# Allegro board Learn.brd
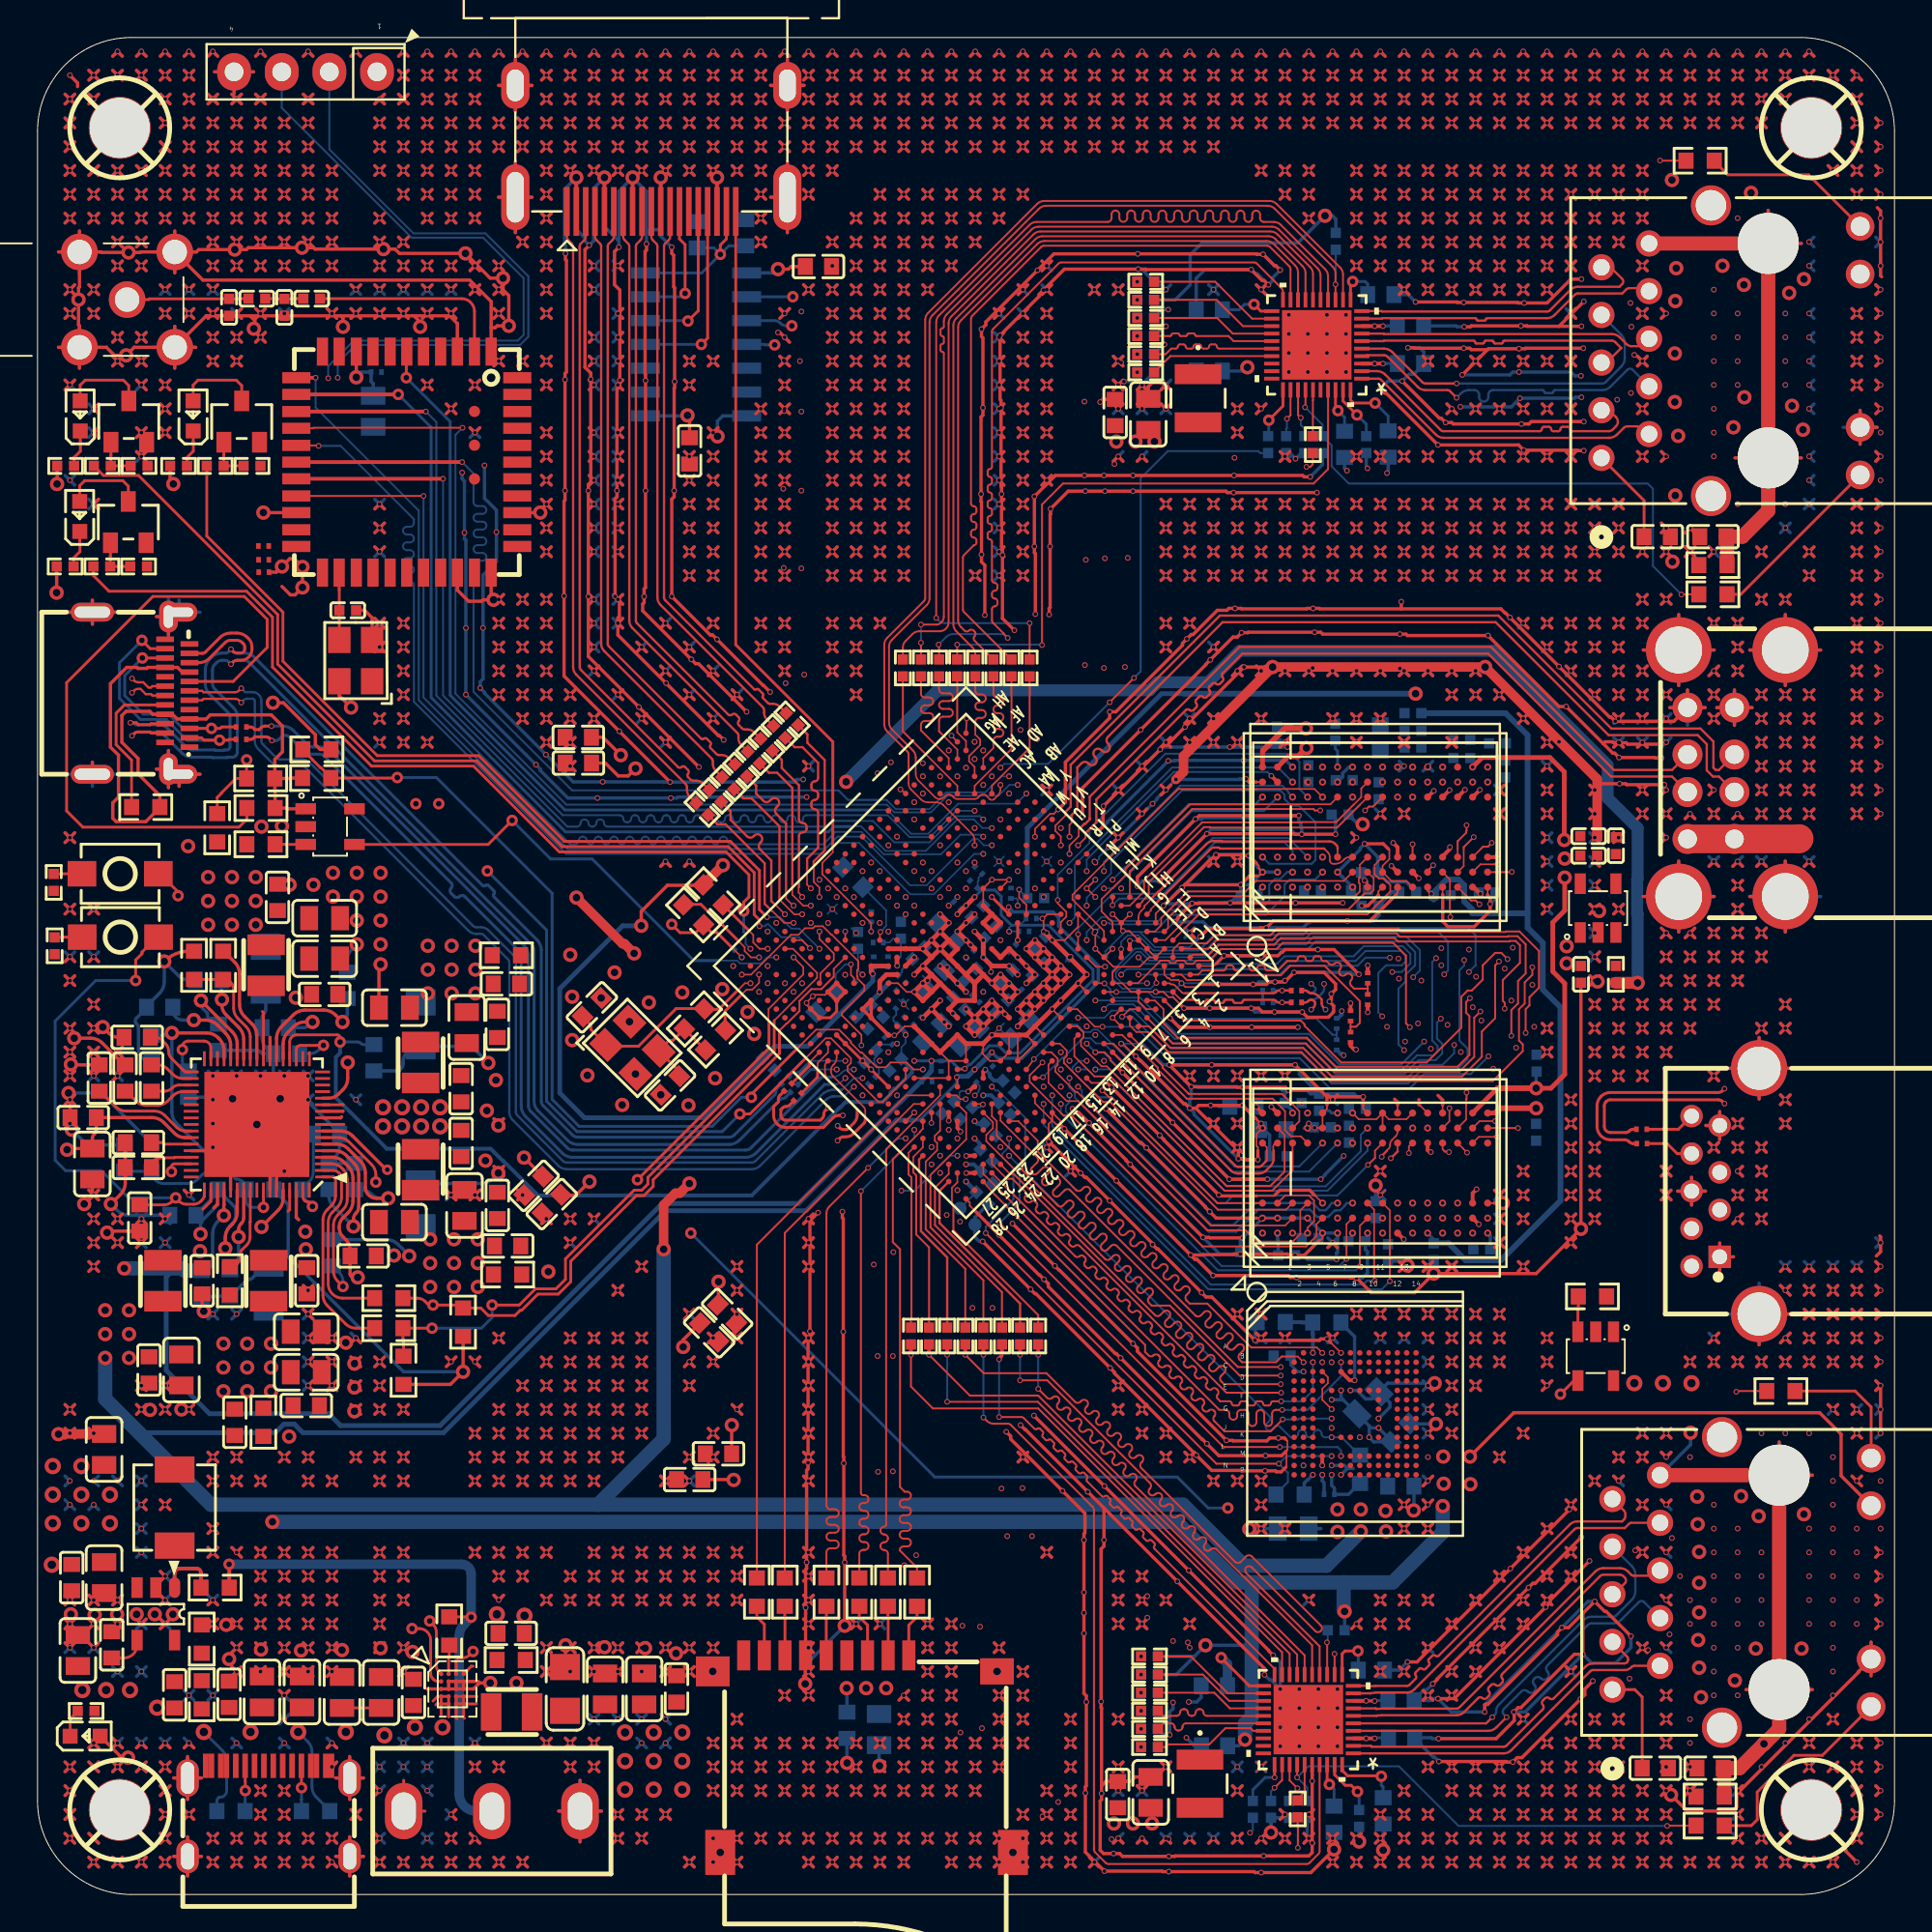
[diagram p0: board, top side]
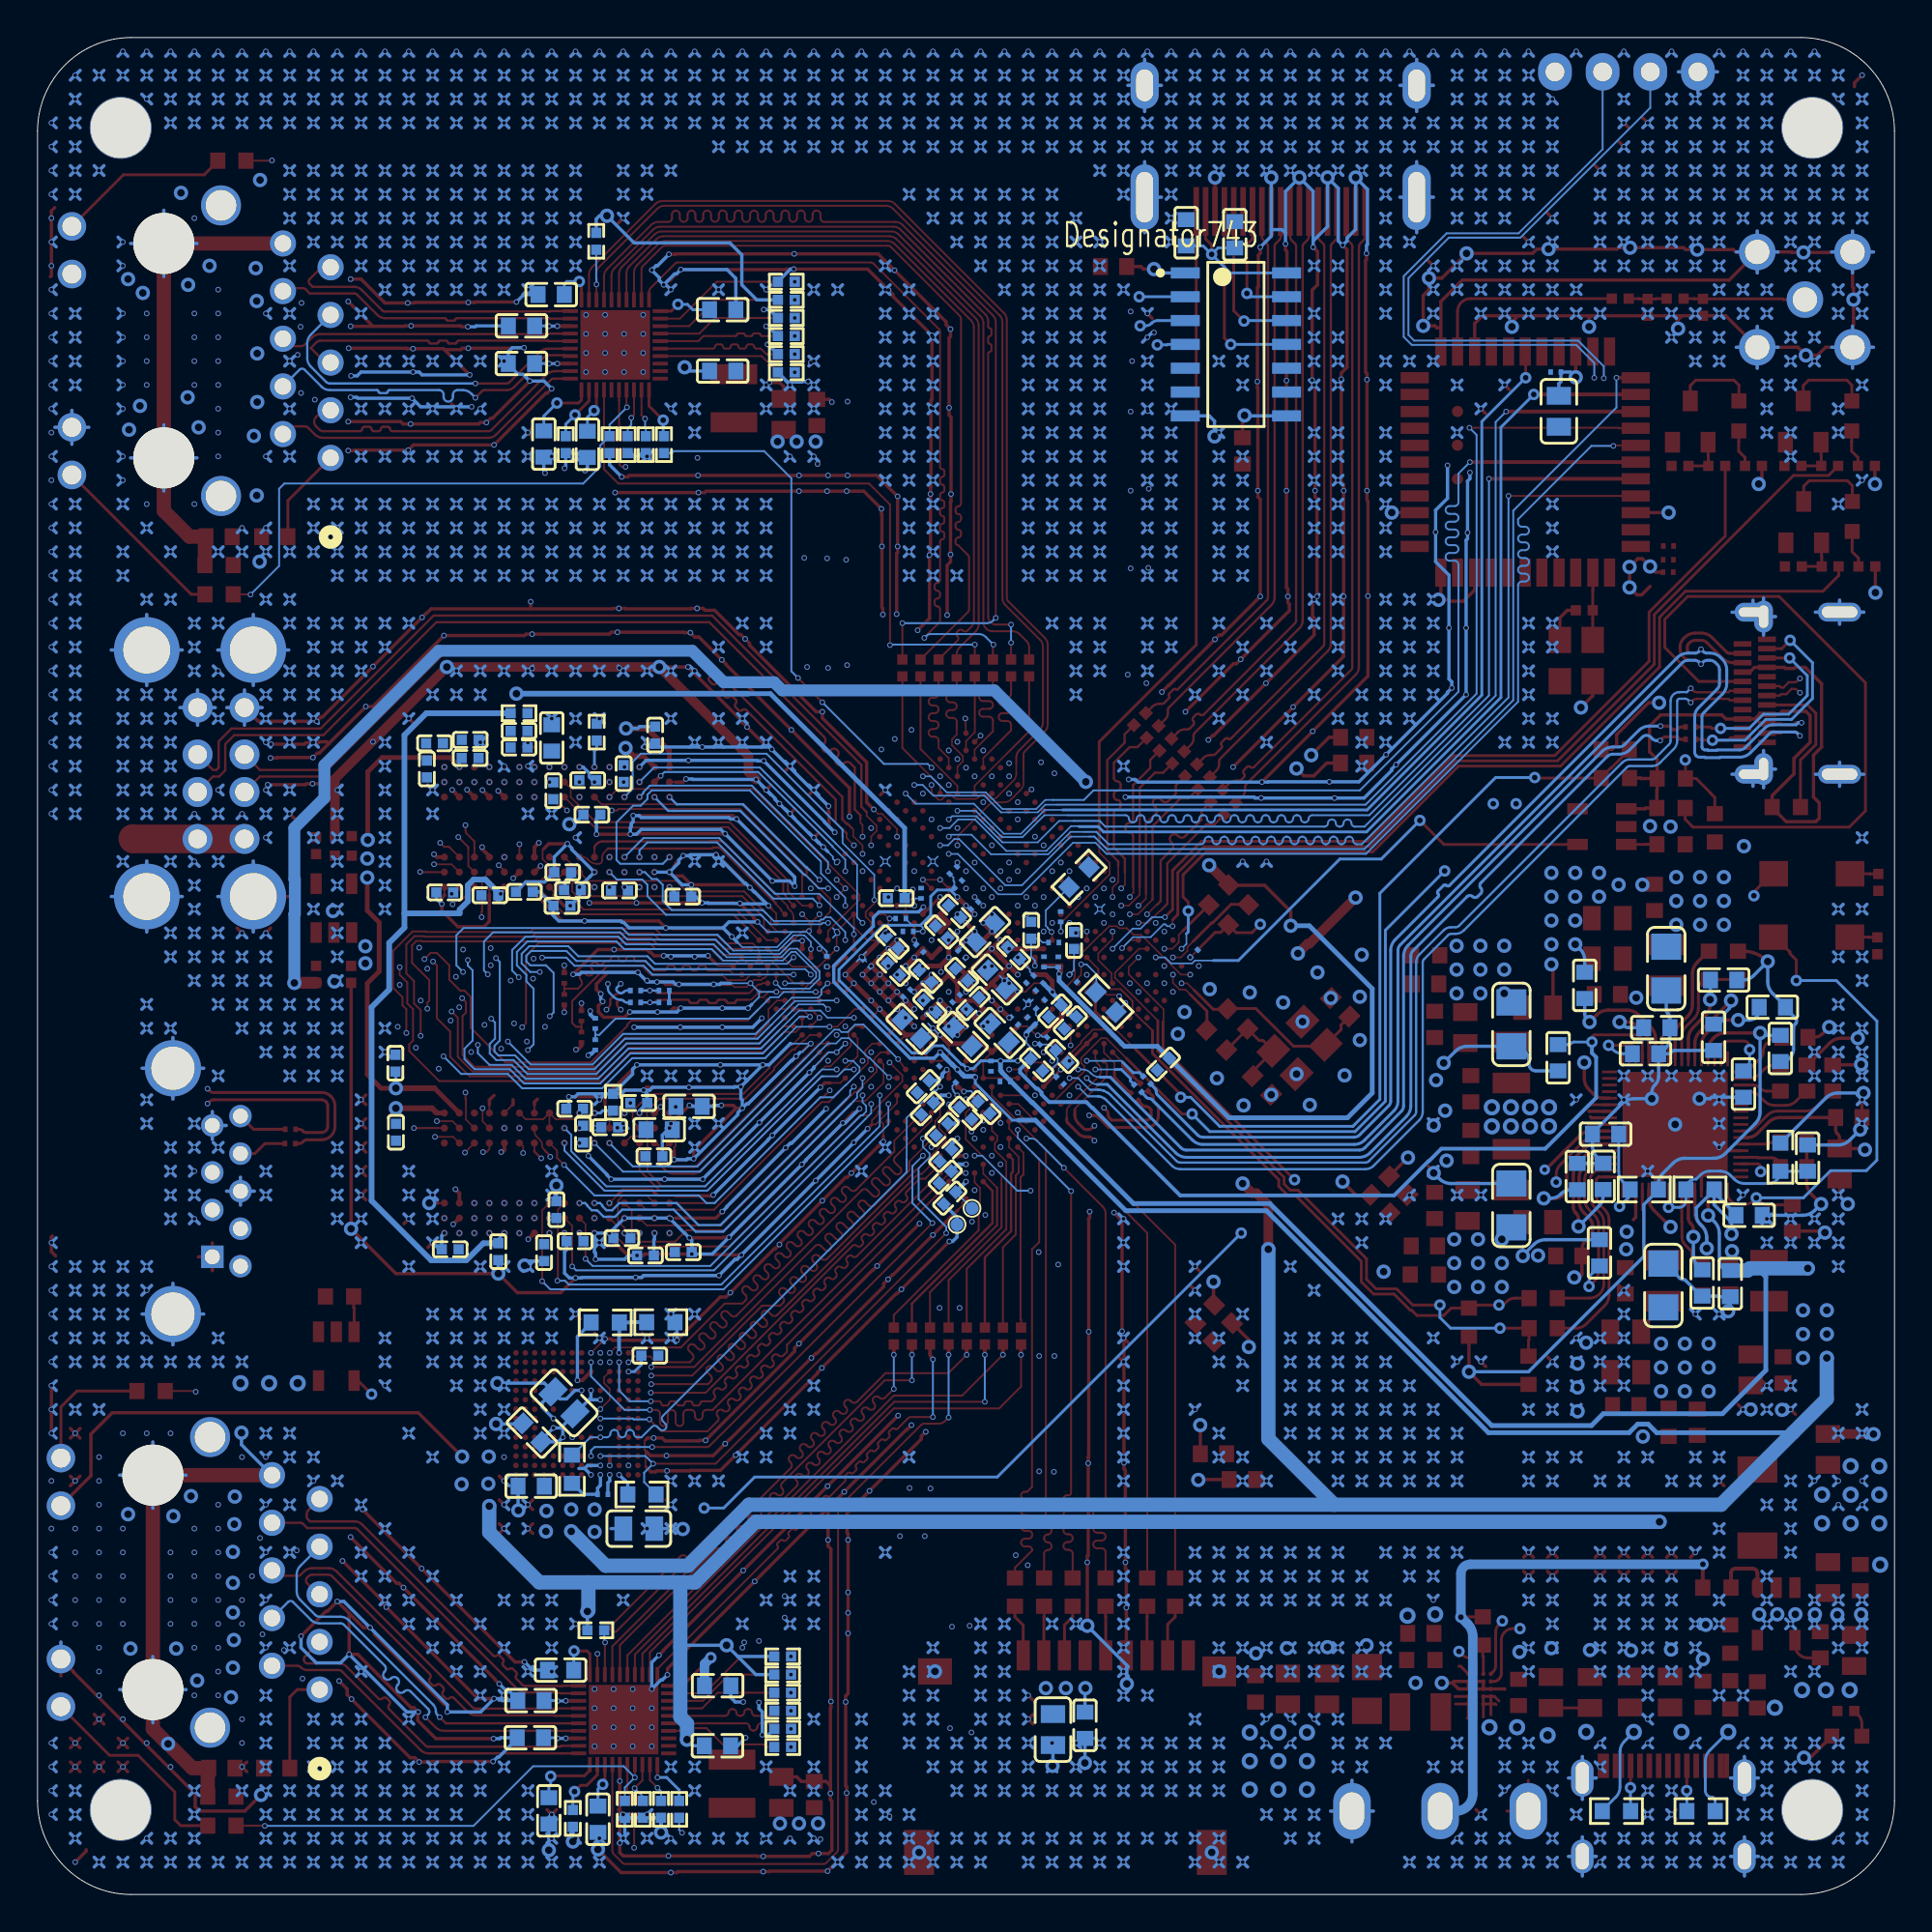
[diagram p1: board, bottom side, seen from below]

Outline 98.98 x 98.98 mm; copper layers: TOP, GND1, PWR, SIG, GND2, BOTTOM. Coordinates in mm from the lower left corner of the outline.
Outline path: 0,93.98 arc(1.46,97.52) 5,98.98 93.98,98.98 arc(97.52,97.52) 98.98,93.98 98.98,5 arc(97.52,1.46) 93.98,0 5,0 arc(1.46,1.46) 0,5 0,93.98

## Design rules (mm)
constraint set DEFAULT: min track width 0.152
net group DDR4_CLK: nets DDR4_CLKN DDR4_CLKP
net group ETH0_MDI0: nets ETH0_MDI0+ ETH0_MDI0-
net group ETH0_MDI1: nets ETH0_MDI1+ ETH0_MDI1-
net group ETH0_MDI2: nets ETH0_MDI2+ ETH0_MDI2-
net group ETH0_MDI3: nets ETH0_MDI3+ ETH0_MDI3-
net group ETH1_MDI0: nets ETH1_MDI0+ ETH1_MDI0-
net group ETH1_MDI1: nets ETH1_MDI1+ ETH1_MDI1-
net group ETH1_MDI2: nets ETH1_MDI2+ ETH1_MDI2-
net group ETH1_MDI3: nets ETH1_MDI3+ ETH1_MDI3-
net group GMAC0_CTRL: nets GMAC0_INT/PMEB GMAC0_RSTN
net group GMAC1_CTRL: nets GMAC1_INT/PMEB GMAC1_RSTN
net group HDMI_SOC_TX0: nets HDMI_SOC_TX0N HDMI_SOC_TX0P
net group HDMI_SOC_TX1: nets HDMI_SOC_TX1N HDMI_SOC_TX1P
net group HDMI_SOC_TX2: nets HDMI_SOC_TX2N HDMI_SOC_TX2P
net group HDMI_SOC_TXCLK: nets HDMI_SOC_TXCLKN HDMI_SOC_TXCLKP
net group HDMI_TX0: nets HDMI_TX0N HDMI_TX0P
net group HDMI_TX1: nets HDMI_TX1N HDMI_TX1P
net group HDMI_TX2: nets HDMI_TX2N HDMI_TX2P
net group HDMI_TXCLK: nets HDMI_TXCLKN HDMI_TXCLKP
net group UART2_DEBUG: nets UART2_RX_DEBUG UART2_TX_DEBUG
net group USB2_HOST2_D: nets USB2_HOST2_DM USB2_HOST2_DP
net group USB2_HOST3_D: nets USB2_HOST3_DM USB2_HOST3_DP
net group USB3_HOST1_D: nets USB3_HOST1_DM USB3_HOST1_DP
net group USB3_HOST1_SSRX: nets USB3_HOST1_SSRXN USB3_HOST1_SSRXP
net group USB3_HOST1_SSTX: nets USB3_HOST1_SSTXN USB3_HOST1_SSTXP
net group USB3_OTG0_D: nets USB3_OTG0_DM USB3_OTG0_DP
net group USB3_OTG0_SSRX: nets USB3_OTG0_SSRXN USB3_OTG0_SSRXP
net group USB3_OTG0_SSTX: nets USB3_OTG0_SSTXN USB3_OTG0_SSTXP
net group DDE_CTRL: nets DDR4_ACTN DDR4_CKE DDR4_CKE_A DDR4_CKE_B DDR4_CLKN_A DDR4_CLKN_B DDR4_CLKP_A DDR4_CLKP_B DDR4_CS0N DDR4_CS0N_A DDR4_CS0N_B DDR4_ODT0 DDR4_ODT0_A DDR4_ODT0_B
net group DDR_ADD: nets DDR4_A0 DDR4_A1 DDR4_A2 DDR4_A3 DDR4_A4 DDR4_A5 DDR4_A6 DDR4_A7 DDR4_A8 DDR4_A9 DDR4_A10 DDR4_A11 DDR4_A12 DDR4_A13 DDR4_A14_WEN DDR4_A15_CASN DDR4_A16_RASN DDR4_BA0 DDR4_BA1 DDR4_BG0
net group DDR_DQ: nets DDR4_DML_A DDR4_DML_B DDR4_DMU_A DDR4_DMU_B DDR4_DQL0_A DDR4_DQL0_B DDR4_DQL1_A DDR4_DQL1_B DDR4_DQL2_A DDR4_DQL2_B DDR4_DQL3_A DDR4_DQL3_B DDR4_DQL4_A DDR4_DQL4_B DDR4_DQL5_A DDR4_DQL5_B DDR4_DQL6_A DDR4_DQL6_B DDR4_DQL7_A DDR4_DQL7_B DDR4_DQSL_N_A DDR4_DQSL_N_B DDR4_DQSL_P_A DDR4_DQSL_P_B DDR4_DQSU_N_A DDR4_DQSU_N_B DDR4_DQSU_P_A DDR4_DQSU_P_B DDR4_DQU0_A DDR4_DQU0_B DDR4_DQU1_A DDR4_DQU1_B DDR4_DQU2_A DDR4_DQU2_B DDR4_DQU3_A DDR4_DQU3_B DDR4_DQU4_A DDR4_DQU4_B DDR4_DQU5_A DDR4_DQU5_B DDR4_DQU6_A DDR4_DQU6_B DDR4_DQU7_A DDR4_DQU7_B
net group EMMC: nets EMMC_CLK EMMC_CMD EMMC_D0 EMMC_D1 EMMC_D2 EMMC_D3 EMMC_D4 EMMC_D5 EMMC_D6 EMMC_D7 EMMC_DS EMMC_RES
net group GMAC0_MD: nets GMAC0_MDC
net group GMAC0_SOC_RXD: nets GMAC0_SOC_RXCLK GMAC0_SOC_RXD0 GMAC0_SOC_RXD1 GMAC0_SOC_RXD2 GMAC0_SOC_RXD3 GMAC0_SOC_RXDV
net group GMAC0_SOC_TXD: nets GMAC0_SOC_TXCLK GMAC0_SOC_TXD0 GMAC0_SOC_TXD1 GMAC0_SOC_TXD2 GMAC0_SOC_TXD3 GMAC0_SOC_TXEN
net group GMAC0_TXD: nets GMAC0_TXCEN GMAC0_TXCLK GMAC0_TXD0 GMAC0_TXD1 GMAC0_TXD2 GMAC0_TXD3
net group GMAC1_MD: nets GMAC1_MDC
net group GMAC1_SOC_RXD: nets GMAC1_SOC_RXCLK GMAC1_SOC_RXD0 GMAC1_SOC_RXD1 GMAC1_SOC_RXD2 GMAC1_SOC_RXD3 GMAC1_SOC_RXDV
net group GMAC1_SOC_TXD: nets GMAC1_SOC_TXCLK GMAC1_SOC_TXD0 GMAC1_SOC_TXD1 GMAC1_SOC_TXD2 GMAC1_SOC_TXD3 GMAC1_SOC_TXEN
net group GMAC1_TXD: nets GMAC1_TXCEN GMAC1_TXCLK GMAC1_TXD0 GMAC1_TXD1 GMAC1_TXD2 GMAC1_TXD3
net group SDMMC: nets SDMMC_CLK SDMMC_CMD SDMMC_D0 SDMMC_D1 SDMMC_D2 SDMMC_D3
net group WIFI_SDIO: nets WIFI_REG_ON WIFI_SDIO_CLK WIFI_SDIO_CMD WIFI_SDIO_D0 WIFI_SDIO_D1 WIFI_SDIO_D2 WIFI_SDIO_D3
net group WORKING_LED: nets WORKING_CPU WORKING_GPU WORKING_NPU

## Placement (name value [footprint] x y rotation side)
C1  22UF  [C0805]  11.96 10.79 270 top
C2  22UF  [C0805]  14.1 10.79 270 top
C3  0.1UF  [C0603]  10.21 10.67 270 top
C4  22UF  [C0805]  2.15 13 90 top
C5  0.1UF  [C0603]  3.95 13.31 90 top
C6  22UF  [C0805]  3.55 16.89 90 top
C7  22UF  [C0805]  3.55 23.72 270 top
C8  0.1UF  [C0603]  1.82 16.89 90 top
C9  22PF  [C0603]  7.31 10.64 90 top
C10  22UF  [C0805]  16.23 10.77 90 top
C11  22UF  [C0805]  18.31 10.77 90 top
C12  0.1UF  [C0603]  20.04 10.77 90 top
C13  100UF  [C1206]  28.12 10.96 90 top
C14  22UF  [C0805]  32.33 10.96 90 top
C15  22UF  [C0805]  30.25 10.96 90 top
C16  0.1UF  [C0603]  34.06 10.96 90 top
C17  0.1UF  [C0603]  25.25 13.92 180 top
C18  0.1UF  [C0603]  16.51 48.46 90 bottom
C19  0.1UF  [C0603]  22.58 42.95 270 top
C20  0.1UF  [C0603]  13.27 44.82 180 bottom
C21  0.1UF  [C0603]  24.51 46.38 270 top
C22  0.1UF  [C0603]  12.67 46.21 180 bottom
C23  0.1UF  [C0603]  14.35 32.72 90 top
C24  0.1UF  [C0603]  17.93 44.6 270 bottom
C25  0.1UF  [C0603]  9.11 48.75 180 bottom
C26  0.1UF  [C0603]  6.51 47.3 180 bottom
C27  22UF  [C0805]  19.02 47.27 180 top
C28  22UF  [C0805]  22.88 46.21 270 top
C29  100UF  [C1206]  20.42 46.38 270 bottom
C30  0.1UF  [C0603]  24.99 48.54 180 top
C31  0.1UF  [C0603]  10.52 25.17 270 top
C32  100UF  [C1206]  12.32 32.46 90 bottom
C33  22UF  [C0805]  14.33 27.84 0 top
C34  22UF  [C0805]  14.32 30 0 top
C35  0.1UF  [C0603]  14.33 26.06 0 top
C36  0.1UF  [C0603]  9.64 45.69 270 bottom
C37  0.1UF  [C0603]  6.09 45.1 270 bottom
C38  0.1UF  [C0603]  15.73 34.2 90 bottom
C39  0.1UF  [C0603]  22.58 40.03 90 top
C40  0.1UF  [C0603]  17.36 34.04 0 top
C41  0.1UF  [C0603]  15.31 47.98 180 top
C42  0.1UF  [C0603]  15.53 38.28 90 bottom
C43  0.1UF  [C0603]  24.51 36.73 90 top
C44  0.1UF  [C0603]  16.91 38.27 90 bottom
C45  22UF  [C0805]  19.02 35.84 180 top
C46  22UF  [C0805]  22.76 36.73 90 top
C47  100UF  [C1206]  20.42 36.73 90 bottom
C48  0.1UF  [C0603]  25.06 34.57 0 top
C49  100UF  [C1206]  12.17 49.35 270 bottom
C50  22UF  [C0805]  15.31 49.88 0 top
C51  22UF  [C0805]  15.31 52.04 0 top
C52  0.1UF  [C0603]  12.79 53.15 90 top
C53  0.1UF  [C0603]  10.25 32.6 270 bottom
C54  0.1UF  [C0603]  7.75 36.21 180 bottom
C55  0.1UF  [C0603]  8.75 32.56 270 bottom
C56  22UF  [C0805]  7.67 27.96 270 top
C57  0.1UF  [C0603]  5.94 27.96 270 top
C58  0.1UF  [C0603]  8.77 32.72 270 top
C59  0.1UF  [C0603]  5.38 40.08 180 top
C60  22UF  [C0805]  2.92 38.94 90 top
C61  0.1UF  [C0603]  2.44 41.41 0 top
C62  10UF  [C0603]  8.05 43.2 270 bottom
C63  2.2UF  [C0603]  6.08 43.52 270 top
C64  1UF  [C0603]  4.67 43.52 90 top
C65  2.2UF  [C0603]  5.31 45.69 180 top
C66  1UF  [C0603]  5.38 38.75 180 top
C67  1UF  [C0603]  3.29 43.52 90 top
C68  0.1UF  [C0603]  4.63 39.25 90 bottom
C69  0.1UF  [C0603]  15.4 40.53 0 bottom
C70  0.1UF  [C0603]  5.45 36.06 270 top
C71  100nF  [C0402]  49.12 47.5 135 bottom
C72  4.7UF  [C0402]  51.42 47.36 45 bottom
C73  22UF  [C0603]  49.68 45.71 225 bottom
C74  22UF  [C0603]  36.3 23.49 180 top
C75  22UF  [C0603]  34.76 22.12 180 top
C76  100nF  [C0201]  50.01 47.76 315 bottom
C77  4.7UF  [C0402]  49.72 49.04 45 bottom
C78  1UF  [C0402]  51.66 48.96 225 bottom
C79  1UF  [C0402]  50.79 51.3 45 bottom
C80  22UF  [C0603]  47.84 48.77 225 bottom
C81  22UF  [C0603]  28.83 60.31 180 top
C82  22UF  [C0603]  28.83 61.68 180 top
C83  100nF  [C0201]  49.71 50.12 225 bottom
C84  4.7UF  [C0402]  50.1 52.4 45 bottom
C85  22UF  [C0603]  26.45 37.78 225 top
C86  22UF  [C0603]  27.41 36.8 225 top
C87  22UF  [C0603]  48.48 51.3 135 bottom
C88  100nF  [C0201]  46.91 46.56 225 bottom
C89  22UF  [C0603]  47.7 45.92 225 bottom
C90  22UF  [C0603]  35.8 29.96 315 top
C91  22UF  [C0603]  36.76 30.95 315 top
C92  100nF  [C0201]  52.65 48.04 135 bottom
C93  100nF  [C0201]  54.78 49.65 45 bottom
C94  4.7UF  [C0402]  53.43 50.77 45 bottom
C95  4.7UF  [C0402]  53.36 49.32 225 bottom
C96  10UF  [C0603]  52.39 46.14 225 bottom
C97  1nF  [C0402]  73.32 62.02 180 bottom
C98  1nF  [C0402]  53.21 53.11 0 bottom
C99  1nF  [C0402]  74.87 53.26 0 bottom
C100  1nF  [C0402]  74.42 34.26 270 bottom
C101  10uF  [C0603]  71.57 61.65 90 bottom
C102  10uF  [C0603]  64.25 42.01 180 bottom
C103  10uF  [C0603]  65.85 40.76 180 bottom
C104  1uF  [C0402]  64.59 53.19 180 bottom
C105  100nF  [C0402]  71.49 58.83 270 bottom
C106  100nF  [C0402]  69.9 40.53 90 bottom
C107  100nF  [C0402]  67.83 34.99 0 bottom
C108  100nF  [C0402]  66.13 39.35 180 bottom
C109  100nF  [C0402]  79.88 40.63 270 bottom
C110  100nF  [C0402]  71.32 36.51 90 bottom
C111  100nF  [C0402]  69.65 59.4 0 bottom
C112  100nF  [C0402]  71.98 34.21 270 bottom
C113  100nF  [C0402]  70.33 34.82 0 bottom
C114  100nF  [C0402]  70.35 41.88 0 bottom
C115  100nF  [C0402]  68.49 40.9 180 bottom
C116  1uF  [C0402]  82.27 49.05 270 top
C117  4.7uF  [C0402]  75.92 61.55 180 bottom
C118  4.7uF  [C0402]  75.92 60.58 180 bottom
C119  100nF  [C0402]  79.91 44.31 90 bottom
C120  100nF  [C0402]  82.69 55.37 0 top
C121  100nF  [C0402]  66.58 34.06 0 bottom
C122  100nF  [C0402]  82.69 56.41 0 top
C123  DNP  [C0402]  84.13 55.91 90 top
C124  1uF  [C0402]  66.93 42.19 180 bottom
C125  100nF  [C0402]  76.99 34.39 0 bottom
C126  100nF  [C0402]  66.06 61.8 270 bottom
C127  100nF  [C0402]  67.74 59.75 270 bottom
C128  100nF  [C0402]  73.32 61.14 180 bottom
C129  100nF  [C0402]  69.43 57.56 180 bottom
C130  100nF  [C0402]  77.27 53.41 0 bottom
C131  100nF  [C0402]  64.56 34.24 180 bottom
C132  100nF  [C0402]  78.23 59.99 270 bottom
C133  100nF  [C0402]  77.82 61.36 0 bottom
C134  100nF  [C0402]  67.96 53.52 0 bottom
C135  100nF  [C0402]  73.04 53.44 180 bottom
C136  100nF  [C0402]  71.03 52.7 0 bottom
C137  100nF  [C0402]  70.47 53.54 0 bottom
C138  100nF  [C0402]  70.99 54.48 180 bottom
C139  18pF  [C0603]  33.72 43.13 225 top
C140  18pF  [C0603]  29.55 47.29 225 top
C141  100nF  [C0201]  37.34 50.16 135 bottom
C142  100nF  [C0201]  44.57 49.71 90 bottom
C143  1UF  [C0402]  44.76 47.09 315 bottom
C144  100nF  [C0201]  45.57 48.38 315 bottom
C145  1UF  [C0402]  43.73 50.86 90 bottom
C146  100nF  [C0201]  43.77 48.84 225 bottom
C147  1UF  [C0402]  45.73 44.23 225 bottom
C148  100nF  [C0201]  46.02 46.56 45 bottom
C149  1UF  [C0402]  38.97 44.26 315 bottom
C150  100nF  [C0201]  45.33 49.71 90 bottom
C151  1UF  [C0402]  44.39 44.67 225 bottom
C152  100nF  [C0201]  45.37 45.5 135 bottom
C153  1UF  [C0402]  43.93 46.46 315 bottom
C154  100nF  [C0201]  45.1 47.88 315 bottom
C155  1nF  [C0402]  50.36 37.12 315 bottom
C156  1nF  [C0402]  50.59 38.23 315 bottom
C157  1nF  [C0402]  50.58 39.4 315 bottom
C158  1nF  [C0402]  50.77 40.77 315 bottom
C159  1nF  [C0402]  48.54 41.95 225 bottom
C160  1nF  [C0402]  49.51 41.64 225 bottom
C161  1nF  [C0402]  51.77 43.06 315 bottom
C162  1nF  [C0402]  51.55 41.88 315 bottom
C163  100nF  [C0201]  50.72 44.34 315 bottom
C164  100nF  [C0201]  49.84 43.48 315 bottom
C165  100nF  [C0201]  68.85 21.33 180 bottom
C166  0.1UF  [C0603]  72.67 21.77 0 bottom
C167  22UF  [C0805]  66.93 19.5 180 bottom
C168  0.1UF  [C0603]  72.63 24.62 225 bottom
C169  22UF  [C0805]  70.92 26.21 225 bottom
C170  2.2UF  [C0402]  66.35 28.72 0 bottom
C171  100nF  [C0201]  48.16 44.15 270 bottom
C172  22UF  [C0805]  44.86 8.79 270 bottom
C173  0.1UF  [C0603]  43.15 9.02 270 bottom
C174  100nF  [C0201]  47.41 43.34 0 bottom
C175  0.1UF  [C0603]  71.1 11.96 0 bottom
C176  0.1UF  [C0603]  72.68 10.34 0 bottom
C177  0.1UF  [C0603]  72.71 8.35 0 bottom
C178  0.1UF  [C0603]  62.74 7.93 180 bottom
C179  0.1UF  [C0603]  69.11 4.01 270 bottom
C180  0.1UF  [C0603]  62.73 11.13 180 bottom
C181  0.1UF  [C0603]  71.73 4.46 270 bottom
C182  22UF  [C0805]  59.34 5.44 90 top
C183  0.1UF  [C0603]  57.58 5.33 90 top
C184  0.1UF  [C0603]  89.16 6.73 180 top
C185  0.1UF  [C0603]  86.24 6.73 0 top
C186  100nF  [C0201]  49.9 53.85 135 bottom
C187  100nF  [C0201]  50.17 54.6 135 bottom
C188  0.1UF  [C0603]  73.19 83.61 0 bottom
C189  0.1UF  [C0603]  73.19 81.61 0 bottom
C190  0.1UF  [C0603]  69.67 77.3 270 bottom
C191  0.1UF  [C0603]  62.46 81.21 180 bottom
C192  0.1UF  [C0603]  62.46 84.48 180 bottom
C193  0.1UF  [C0603]  72 77.32 270 bottom
C194  0.1UF  [C0603]  71.61 85.28 0 bottom
C195  22UF  [C0805]  59.21 78.9 90 top
C196  0.1UF  [C0603]  57.44 79 90 top
C197  0.1UF  [C0603]  89.31 72.38 180 top
C198  0.1UF  [C0603]  86.34 72.38 0 top
C199  100nF  [C0201]  12.06 71.15 180 top
C200  100nF  [C0201]  12.06 70.48 180 top
C201  22PF  [C0402]  14.62 85.06 180 top
C202  22PF  [C0402]  11.69 85.06 180 top
C203  22UF  [C0805]  17.89 79.06 270 bottom
C204  22PF  [C0402]  13.16 84.6 90 top
C205  22PF  [C0402]  10.21 84.6 90 top
C206  100nF  [C0201]  12.05 71.88 180 top
C207  100nF  [C0201]  49.03 52.72 135 bottom
C208  100nF  [C0201]  44.45 52.12 90 bottom
C209  100nF  [C0201]  46.08 48.79 315 bottom
C210  4.7UF  [C0402]  46.96 50.19 45 bottom
C211  100nF  [C0201]  44.82 50.74 180 bottom
C212  4.7UF  [C0402]  46.02 51.4 90 bottom
C213  100nF  [C0603]  34.76 76.95 270 top
C214  100nF  [C0603]  35.16 88.47 90 bottom
C215  100nF  [C0603]  41.63 86.78 0 top
C216  100nF  [C0603]  37.75 88.58 90 bottom
C217  100nF  [C0201]  45.95 47.41 45 bottom
C218  100nF  [C0201]  51.89 53.37 90 bottom
C219  100nF  [C0201]  51.95 50.44 225 bottom
C220  100nF  [C0201]  44.48 43.39 225 bottom
C221  100nF  [C0201]  52.97 52.02 0 bottom
C222  100nF  [C0201]  52.58 51.34 0 bottom
C223  100nF  [C0201]  40.33 42.97 225 bottom
C224  100nF  [C0201]  39.85 43.41 225 bottom
C225  100nF  [C0201]  40 43.03 225 top
C226  100nF  [C0201]  40.52 42.51 225 top
C227  100nF  [C0201]  10.86 62.23 180 top
C228  100nF  [C0201]  10.86 61.57 180 top
C229  100nF  [C0201]  85.52 40.03 0 top
C230  100nF  [C0201]  85.5 40.79 0 top
C231  100nF  [C0201]  18.05 81.15 0 bottom
C232  15PF  [C0402]  16.54 68.45 0 top
J1  HDMI_TYPE_A_0  [HDMI_A]  28.22 89.71 0 top
J2  CON4M_1X4_2R54_V  [CN4M_2R54_V_DIP]  18.1 97.15 180 top
L1  2.2UH  [L0420]  7.31 20.62 270 top
L2  330nH  [IND_252010]  25.27 9.73 180 top
L3  330nH  [IND_252010]  20.42 44.35 90 top
L4  330nH  [IND_252010]  12.32 32.72 90 top
L5  330nH  [IND_252010]  20.42 38.63 270 top
L6  330nH  [IND_252010]  12.19 49.53 270 top
L7  330nH  [IND_252010]  6.69 32.72 90 top
L8  2.2UH  [L2520]  61.96 5.91 270 top
L9  2.2UH  [L2520]  61.86 79.76 270 top
LED1  LED_BLUE  [LED0603]  2.59 8.45 0 top
LED2  LED_BLUE  [LED0603]  2.24 73.5 90 top
LED3  LED_BLUE  [LED0603]  8.29 78.86 90 top
LED4  LED_BLUE  [LED0603]  2.27 78.86 90 top
M1  M  [M3]  4.45 94.11 0 top
M2  M  [M3]  94.61 94.11 0 top
M3  M  [M3]  94.61 4.45 0 top
M4  M  [M3]  4.45 4.45 0 top
Q1  S8050  [SOT_23]  4.84 73.15 0 top
Q2  S8050  [SOT_23]  10.88 78.51 0 top
Q3  S8050  [SOT_23]  4.86 78.51 0 top
R1  5.1K  [R0603]  14.82 4.45 0 bottom
R2  5.1K  [R0603]  10.31 4.45 180 bottom
R3  1K  [R0402]  2.59 9.78 180 top
R4  10K  [R0603]  9.47 16.36 0 top
R5  45K  [R0603]  8.75 10.64 270 top
R6  10K  [R0603]  8.75 13.61 270 top
R7  100R  [R0603]  25.25 12.5 180 top
R8  10K  [R0603]  21.95 14.05 90 top
R11  100R  [R0603]  24.99 50.06 180 top
R12  100R  [R0603]  12.04 25.17 270 top
R15  100R  [R0603]  25.06 33.05 0 top
R16  63K  [R0603]  9.89 49.53 270 top
R18  120K  [R0603]  8.34 49.53 90 top
R19  0R  [R0603]  10.25 32.72 270 top
R20  22R  [R0603]  18.73 31.79 180 top
R21  22R  [R0603]  18.73 30.19 180 top
R22  63K  [R0603]  10.37 37.58 0 bottom
R24  120K  [R0603]  6.08 39.3 90 bottom
R25  10K  [R0603]  13.34 37.58 0 bottom
R26  120R  [R0201]  56.92 49.74 90 bottom
R27  49.9R  [R0201]  65.58 48.18 180 bottom
R28  49.9R  [R0201]  65.58 47.55 180 bottom
R29  0R  [R0201]  67.11 48.18 180 bottom
R30  0R  [R0201]  67.11 48.18 0 top
R31  0R  [R0201]  67.11 47.55 180 bottom
R32  0R  [R0201]  67.11 47.55 0 top
R33  0R  [R0201]  69.99 46.83 270 top
R34  0R  [R0201]  69.99 45.69 270 top
R35  0R  [R0201]  70.9 48.85 270 top
R36  0R  [R0201]  70.9 47.7 270 top
R37  0R  [R0201]  69.25 46.43 270 bottom
R38  0R  [R0201]  69.25 45.29 270 bottom
R39  240R  [R0402]  68.31 42.23 90 bottom
R40  240R  [R0402]  69.18 61.96 90 bottom
R41  0R  [R0402]  73.32 62.97 180 bottom
R42  51K  [R0402]  84.13 49.05 90 top
R43  1M  [R0603]  35.01 46.67 45 top
R44  22R  [R0603]  36.14 45.55 225 top
R45  22R  [R0603]  34.97 52.22 315 top
R46  0R  [R0603]  42.03 47.57 45 bottom
R47  10K  [R0603]  36.02 53.28 315 top
R48  2.2K  [R0603]  19.51 27.94 270 top
R49  2.2K  [R0603]  22.68 30.51 270 top
R50  0R  [R0603]  65.76 30.51 0 bottom
R51  10K  [R0603]  68.73 30.49 180 bottom
R52  10K  [R0603]  66.77 21.32 180 bottom
R53  10K  [R0603]  70.5 22.67 90 bottom
R54  22R  [R0603]  38.34 16.12 270 top
R55  22R  [R0603]  39.83 16.12 270 top
R56  22R  [R0603]  42.05 16.12 270 top
R57  22R  [R0603]  43.81 16.12 270 top
R58  22R  [R0603]  45.33 16.12 270 top
R59  22R  [R0603]  46.88 16.12 270 top
R60  22R  [R0402]  53.34 29.77 90 top
R61  22R  [R0402]  52.37 29.77 90 top
R62  22R  [R0402]  51.41 29.77 90 top
R63  22R  [R0402]  48.49 29.77 90 top
R64  22R  [R0402]  47.52 29.77 90 top
R65  22R  [R0402]  46.56 29.77 90 top
R66  22R  [R0402]  50.42 29.77 90 top
R67  22R  [R0402]  49.45 29.77 90 top
R68  22R  [R0402]  59.27 7.86 180 top
R69  4.7K  [R0402]  59.26 7.86 0 bottom
R70  4.7K  [R0402]  59.26 9.79 0 bottom
R71  22R  [R0402]  59.27 9.79 180 top
R72  4.7K  [R0402]  59.27 10.76 0 bottom
R73  22R  [R0402]  59.27 10.76 180 top
R74  4.7K  [R0402]  59.27 11.72 0 bottom
R75  22R  [R0402]  59.27 11.72 180 top
R76  4.7K  [R0402]  59.27 12.69 0 bottom
R77  22R  [R0402]  59.27 12.69 180 top
R78  4.7K  [R0402]  59.26 8.83 0 bottom
R79  22R  [R0402]  59.27 8.83 180 top
R80  1.5K  [R0402]  69.22 14.08 0 bottom
R81  4.7K  [R0402]  65.75 4.54 270 bottom
R82  4.7K  [R0402]  66.71 4.54 270 bottom
R83  4.7K  [R0402]  67.68 4.54 270 bottom
R84  22R  [R0402]  67.17 4.56 270 top
R85  2.49K  [R0402]  70.45 4.06 270 bottom
R86  0R  [R0402]  64.78 4.54 270 bottom
R87  22R  [R0603]  89.16 5.22 180 top
R88  470R  [R0603]  89.16 3.67 0 top
R89  470R  [R0603]  92.93 26.84 0 top
R90  22R  [R0402]  46.13 65.38 270 top
R91  22R  [R0402]  47.09 65.38 270 top
R92  22R  [R0402]  48.06 65.38 270 top
R93  22R  [R0402]  49.02 65.38 270 top
R94  22R  [R0402]  50.95 65.38 270 top
R95  22R  [R0402]  49.99 65.38 270 top
R96  22R  [R0402]  51.92 65.38 270 top
R97  22R  [R0402]  52.88 65.38 270 top
R98  4.7K  [R0402]  59.07 81.14 0 bottom